# KiCad board Parallel.kicad_pcb (continued)
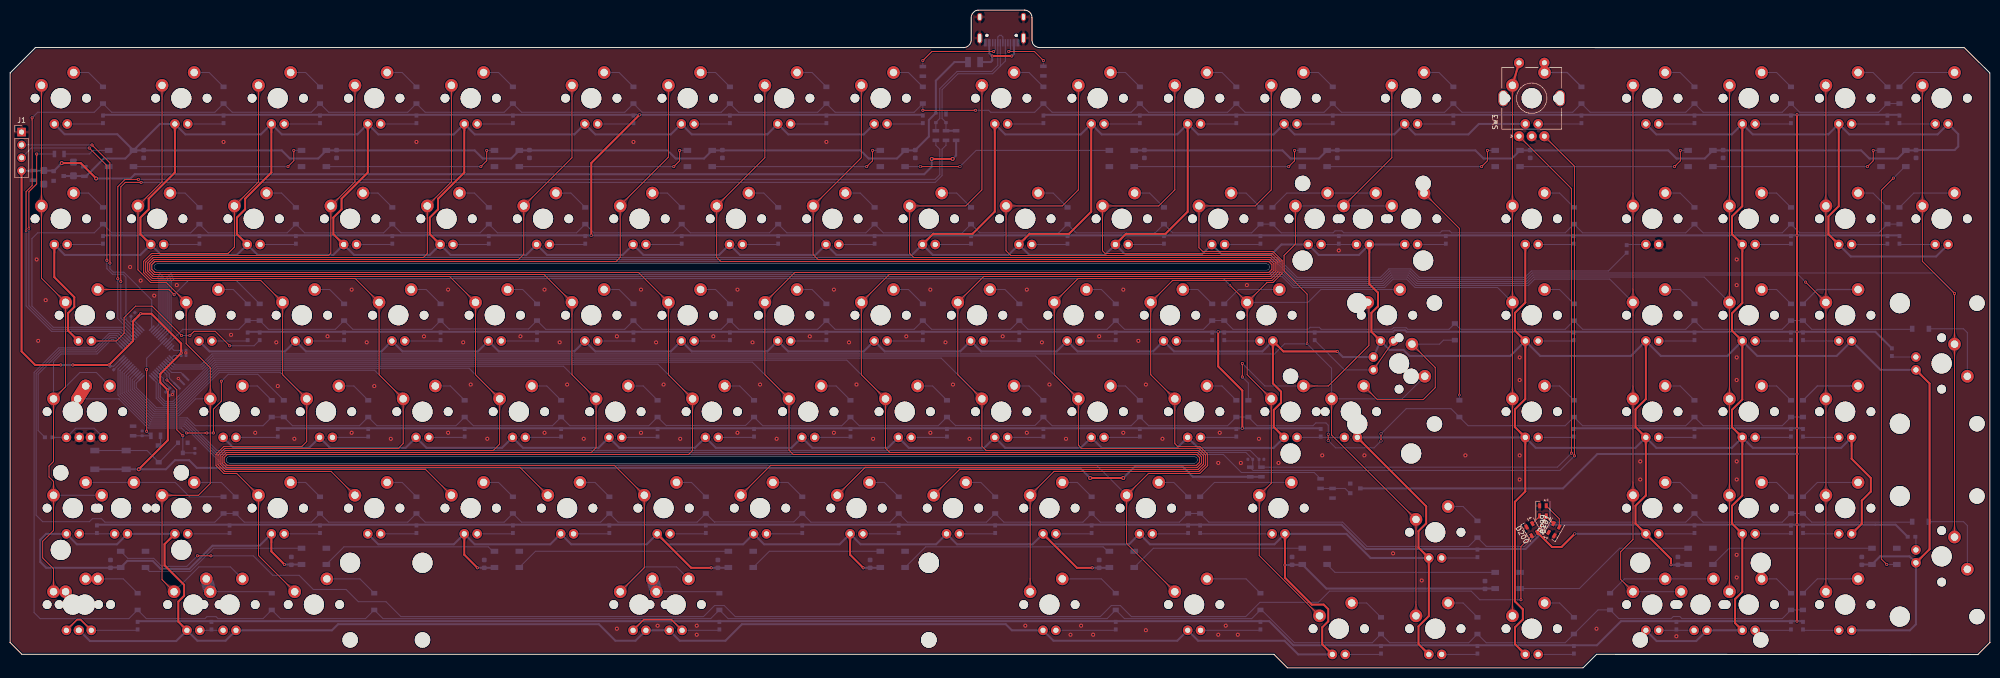
[diagram p0: board, top side]
## Copper pours and planes (outline as drawn; the poured copper is in the pictures) (continued)
Col8 on Top: 160.48,93.28 160.43,93.22 160.37,93.17 160.32,93.12 160.27,93.08 160.21,93.03 160.15,92.99 160.1,92.95 160.04,92.91 159.98,92.87 159.92,92.84 159.86,92.8 159.8,92.77 159.74,92.74 159.68,92.71 159.61,92.68 159.55,92.66 159.49,92.63 159.42,92.61 159.36,92.59 159.29,92.57 159.23,92.56 159.16,92.54 159.09,92.53 159.02,92.52 158.96,92.51 158.89,92.5 158.82,92.5 158.75,92.49 158.67,92.49 158.6,92.49 158.15,90.8 159.84,91.25 159.84,91.33 159.84,91.4 159.85,91.47 159.85,91.54 159.86,91.61 159.87,91.68 159.88,91.74 159.89,91.81 159.91,91.88 159.92,91.95 159.94,92.01 159.96,92.08 159.98,92.14 160.01,92.2 160.03,92.27 160.06,92.33 160.09,92.39 160.12,92.45 160.15,92.51 160.18,92.57 160.22,92.63 160.26,92.69 160.3,92.75 160.34,92.8 160.38,92.86 160.43,92.92 160.47,92.97 160.52,93.03 160.57,93.08 160.62,93.13
Col8 on Top: 165.25,36.13 165.19,36.07 165.14,36.02 165.08,35.97 165.03,35.93 164.97,35.88 164.92,35.84 164.86,35.8 164.8,35.76 164.74,35.72 164.68,35.69 164.62,35.65 164.56,35.62 164.5,35.59 164.44,35.56 164.38,35.53 164.31,35.51 164.25,35.48 164.19,35.46 164.12,35.44 164.06,35.42 163.99,35.41 163.92,35.39 163.86,35.38 163.79,35.37 163.72,35.36 163.65,35.35 163.58,35.35 163.51,35.34 163.44,35.34 163.37,35.34 162.91,33.65 164.6,34.1 164.6,34.18 164.6,34.25 164.61,34.32 164.61,34.39 164.62,34.46 164.63,34.53 164.64,34.59 164.65,34.66 164.67,34.73 164.68,34.8 164.7,34.86 164.72,34.93 164.74,34.99 164.77,35.05 164.79,35.12 164.82,35.18 164.85,35.24 164.88,35.3 164.91,35.36 164.95,35.42 164.98,35.48 165.02,35.54 165.06,35.6 165.1,35.65 165.14,35.71 165.19,35.77 165.24,35.82 165.28,35.88 165.33,35.93 165.39,35.98
Col8 on Top: 172.98,50.37 172.98,50.44 172.98,50.51 172.98,50.59 172.99,50.66 173,50.73 173.01,50.8 173.02,50.87 173.03,50.94 173.05,51.01 173.06,51.07 173.08,51.14 173.1,51.21 173.12,51.27 173.15,51.34 173.17,51.4 173.2,51.46 173.23,51.52 173.26,51.58 173.29,51.64 173.32,51.7 173.36,51.76 173.39,51.82 173.43,51.87 173.47,51.93 173.52,51.99 173.56,52.04 173.6,52.09 173.65,52.15 173.7,52.2 173.75,52.25 172.88,53.77 172,52.25 172.05,52.2 172.1,52.15 172.15,52.09 172.2,52.04 172.24,51.99 172.28,51.93 172.32,51.87 172.36,51.82 172.4,51.76 172.43,51.7 172.47,51.64 172.5,51.58 172.53,51.52 172.56,51.46 172.58,51.4 172.61,51.34 172.63,51.27 172.65,51.21 172.67,51.14 172.69,51.07 172.71,51.01 172.72,50.94 172.74,50.87 172.75,50.8 172.76,50.73 172.76,50.66 172.77,50.59 172.77,50.51 172.78,50.44 172.78,50.37
Col8 on Top: 170.01,74.23 169.95,74.17 169.9,74.12 169.85,74.07 169.79,74.03 169.73,73.98 169.68,73.94 169.62,73.9 169.56,73.86 169.5,73.82 169.45,73.79 169.39,73.75 169.32,73.72 169.26,73.69 169.2,73.66 169.14,73.63 169.08,73.61 169.01,73.58 168.95,73.56 168.88,73.54 168.82,73.52 168.75,73.51 168.69,73.49 168.62,73.48 168.55,73.47 168.48,73.46 168.41,73.45 168.34,73.45 168.27,73.44 168.2,73.44 168.13,73.44 167.67,71.75 169.36,72.2 169.36,72.28 169.37,72.35 169.37,72.42 169.38,72.49 169.38,72.56 169.39,72.63 169.4,72.69 169.42,72.76 169.43,72.83 169.45,72.9 169.47,72.96 169.48,73.03 169.51,73.09 169.53,73.15 169.56,73.22 169.58,73.28 169.61,73.34 169.64,73.4 169.67,73.46 169.71,73.52 169.74,73.58 169.78,73.64 169.82,73.7 169.86,73.75 169.91,73.81 169.95,73.87 170,73.92 170.05,73.98 170.1,74.03 170.15,74.08
Col8 on Top: 158.69,88.47 158.69,88.54 158.69,88.61 158.7,88.69 158.7,88.76 158.71,88.83 158.72,88.9 158.73,88.97 158.74,89.04 158.76,89.11 158.78,89.17 158.79,89.24 158.81,89.31 158.84,89.37 158.86,89.44 158.88,89.5 158.91,89.56 158.94,89.62 158.97,89.68 159,89.74 159.03,89.8 159.07,89.86 159.11,89.92 159.15,89.97 159.19,90.03 159.23,90.09 159.27,90.14 159.32,90.19 159.36,90.25 159.41,90.3 159.46,90.35 158.59,91.87 157.71,90.35 157.77,90.3 157.81,90.25 157.86,90.19 157.91,90.14 157.95,90.09 157.99,90.03 158.03,89.97 158.07,89.92 158.11,89.86 158.15,89.8 158.18,89.74 158.21,89.68 158.24,89.62 158.27,89.56 158.3,89.5 158.32,89.44 158.34,89.37 158.37,89.31 158.39,89.24 158.4,89.17 158.42,89.11 158.43,89.04 158.45,88.97 158.46,88.9 158.47,88.83 158.48,88.76 158.48,88.69 158.49,88.61 158.49,88.54 158.49,88.47
Col8 on Top: 168.21,69.42 168.22,69.49 168.22,69.56 168.22,69.64 168.23,69.71 168.24,69.78 168.25,69.85 168.26,69.92 168.27,69.99 168.28,70.06 168.3,70.12 168.32,70.19 168.34,70.26 168.36,70.32 168.38,70.39 168.41,70.45 168.44,70.51 168.46,70.57 168.49,70.63 168.53,70.69 168.56,70.75 168.59,70.81 168.63,70.87 168.67,70.92 168.71,70.98 168.75,71.04 168.8,71.09 168.84,71.14 168.89,71.2 168.94,71.25 168.99,71.3 168.11,72.82 167.24,71.3 167.29,71.25 167.34,71.2 167.39,71.14 167.43,71.09 167.48,71.04 167.52,70.98 167.56,70.92 167.6,70.87 167.63,70.81 167.67,70.75 167.7,70.69 167.74,70.63 167.77,70.57 167.79,70.51 167.82,70.45 167.85,70.39 167.87,70.32 167.89,70.26 167.91,70.19 167.93,70.12 167.94,70.06 167.96,69.99 167.97,69.92 167.98,69.85 167.99,69.78 168,69.71 168.01,69.64 168.01,69.56 168.01,69.49 168.01,69.42
Col8 on Top: 170.84,55.03 170.9,54.98 170.95,54.93 170.99,54.87 171.04,54.82 171.09,54.76 171.13,54.7 171.17,54.65 171.21,54.59 171.25,54.53 171.28,54.47 171.32,54.41 171.35,54.35 171.38,54.29 171.41,54.23 171.44,54.17 171.46,54.1 171.49,54.04 171.51,53.98 171.53,53.91 171.55,53.85 171.56,53.78 171.58,53.71 171.59,53.64 171.6,53.58 171.61,53.51 171.62,53.44 171.62,53.37 171.63,53.3 171.63,53.23 171.63,53.15 173.32,52.7 172.86,54.39 172.79,54.39 172.72,54.39 172.65,54.4 172.58,54.4 172.51,54.41 172.44,54.42 172.37,54.43 172.31,54.44 172.24,54.46 172.17,54.47 172.11,54.49 172.04,54.51 171.98,54.53 171.92,54.56 171.85,54.58 171.79,54.61 171.73,54.64 171.67,54.67 171.61,54.7 171.55,54.74 171.49,54.77 171.43,54.81 171.37,54.85 171.31,54.89 171.26,54.93 171.2,54.98 171.15,55.02 171.09,55.07 171.04,55.12 170.98,55.18
Col8 on Bottom: 170.84,55.03 170.9,54.98 170.95,54.93 170.99,54.87 171.04,54.82 171.09,54.76 171.13,54.7 171.17,54.65 171.21,54.59 171.25,54.53 171.28,54.47 171.32,54.41 171.35,54.35 171.38,54.29 171.41,54.23 171.44,54.17 171.46,54.1 171.49,54.04 171.51,53.98 171.53,53.91 171.55,53.85 171.56,53.78 171.58,53.71 171.59,53.64 171.6,53.58 171.61,53.51 171.62,53.44 171.62,53.37 171.63,53.3 171.63,53.23 171.63,53.15 173.32,52.7 172.86,54.39 172.79,54.39 172.72,54.39 172.65,54.4 172.58,54.4 172.51,54.41 172.44,54.42 172.37,54.43 172.31,54.44 172.24,54.46 172.17,54.47 172.11,54.49 172.04,54.51 171.98,54.53 171.92,54.56 171.85,54.58 171.79,54.61 171.73,54.64 171.67,54.67 171.61,54.7 171.55,54.74 171.49,54.77 171.43,54.81 171.37,54.85 171.31,54.89 171.26,54.93 171.2,54.98 171.15,55.02 171.09,55.07 171.04,55.12 170.98,55.18
Col9 on Top: 184.3,36.13 184.24,36.07 184.19,36.02 184.13,35.97 184.08,35.93 184.02,35.88 183.97,35.84 183.91,35.8 183.85,35.76 183.79,35.72 183.73,35.69 183.67,35.65 183.61,35.62 183.55,35.59 183.49,35.56 183.43,35.53 183.36,35.51 183.3,35.48 183.24,35.46 183.17,35.44 183.11,35.42 183.04,35.41 182.97,35.39 182.91,35.38 182.84,35.37 182.77,35.36 182.7,35.35 182.63,35.35 182.56,35.34 182.49,35.34 182.42,35.34 181.96,33.65 183.65,34.1 183.65,34.18 183.65,34.25 183.66,34.32 183.66,34.39 183.67,34.46 183.68,34.53 183.69,34.59 183.7,34.66 183.72,34.73 183.73,34.8 183.75,34.86 183.77,34.93 183.79,34.99 183.82,35.05 183.84,35.12 183.87,35.18 183.9,35.24 183.93,35.3 183.96,35.36 184,35.42 184.03,35.48 184.07,35.54 184.11,35.6 184.15,35.65 184.19,35.71 184.24,35.77 184.29,35.82 184.33,35.88 184.38,35.93 184.44,35.98
Col9 on Top: 192.03,50.37 192.03,50.44 192.03,50.51 192.03,50.59 192.04,50.66 192.05,50.73 192.06,50.8 192.07,50.87 192.08,50.94 192.1,51.01 192.11,51.07 192.13,51.14 192.15,51.21 192.17,51.27 192.2,51.34 192.22,51.4 192.25,51.46 192.28,51.52 192.31,51.58 192.34,51.64 192.37,51.7 192.41,51.76 192.44,51.82 192.48,51.87 192.52,51.93 192.57,51.99 192.61,52.04 192.65,52.09 192.7,52.15 192.75,52.2 192.8,52.25 191.93,53.77 191.05,52.25 191.1,52.2 191.15,52.15 191.2,52.09 191.25,52.04 191.29,51.99 191.33,51.93 191.37,51.87 191.41,51.82 191.45,51.76 191.48,51.7 191.52,51.64 191.55,51.58 191.58,51.52 191.61,51.46 191.63,51.4 191.66,51.34 191.68,51.27 191.7,51.21 191.72,51.14 191.74,51.07 191.76,51.01 191.77,50.94 191.79,50.87 191.8,50.8 191.81,50.73 191.81,50.66 191.82,50.59 191.82,50.51 191.83,50.44 191.83,50.37
Col9 on Top: 180.42,91.34 180.34,91.34 180.27,91.35 180.19,91.35 180.12,91.36 180.05,91.36 179.98,91.37 179.91,91.38 179.84,91.4 179.77,91.41 179.71,91.43 179.64,91.45 179.58,91.47 179.51,91.49 179.45,91.51 179.38,91.54 179.32,91.56 179.26,91.59 179.2,91.62 179.14,91.65 179.08,91.69 179.02,91.72 178.96,91.76 178.91,91.8 178.85,91.84 178.8,91.88 178.74,91.92 178.69,91.97 178.64,92.02 178.58,92.07 178.53,92.12 177.01,91.24 178.53,90.37 178.58,90.42 178.64,90.47 178.69,90.51 178.74,90.56 178.8,90.6 178.85,90.65 178.91,90.69 178.96,90.73 179.02,90.76 179.08,90.8 179.14,90.83 179.2,90.86 179.26,90.89 179.32,90.92 179.38,90.95 179.45,90.97 179.51,91 179.58,91.02 179.64,91.04 179.71,91.06 179.77,91.07 179.84,91.09 179.91,91.1 179.98,91.11 180.05,91.12 180.12,91.13 180.19,91.13 180.27,91.14 180.34,91.14 180.42,91.14
Col9 on Top: 192.03,112.28 192.03,112.35 192.03,112.43 192.03,112.5 192.04,112.57 192.05,112.64 192.06,112.71 192.07,112.78 192.08,112.85 192.1,112.92 192.11,112.99 192.13,113.05 192.15,113.12 192.17,113.18 192.2,113.25 192.22,113.31 192.25,113.37 192.28,113.43 192.31,113.5 192.34,113.56 192.37,113.61 192.41,113.67 192.44,113.73 192.48,113.79 192.52,113.84 192.57,113.9 192.61,113.95 192.65,114.01 192.7,114.06 192.75,114.11 192.8,114.16 191.93,115.68 191.05,114.16 191.1,114.11 191.15,114.06 191.2,114.01 191.25,113.95 191.29,113.9 191.33,113.84 191.37,113.79 191.41,113.73 191.45,113.67 191.48,113.61 191.52,113.56 191.55,113.5 191.58,113.43 191.61,113.37 191.63,113.31 191.66,113.25 191.68,113.18 191.7,113.12 191.72,113.05 191.74,112.99 191.76,112.92 191.77,112.85 191.79,112.78 191.8,112.71 191.81,112.64 191.81,112.57 191.82,112.5 191.82,112.43 191.83,112.35 191.83,112.28
Col9 on Top: 189.06,74.23 189,74.17 188.95,74.12 188.9,74.07 188.84,74.03 188.78,73.98 188.73,73.94 188.67,73.9 188.61,73.86 188.55,73.82 188.5,73.79 188.44,73.75 188.37,73.72 188.31,73.69 188.25,73.66 188.19,73.63 188.13,73.61 188.06,73.58 188,73.56 187.93,73.54 187.87,73.52 187.8,73.51 187.74,73.49 187.67,73.48 187.6,73.47 187.53,73.46 187.46,73.45 187.39,73.45 187.32,73.44 187.25,73.44 187.18,73.44 186.72,71.75 188.41,72.2 188.41,72.28 188.42,72.35 188.42,72.42 188.43,72.49 188.43,72.56 188.44,72.63 188.45,72.69 188.47,72.76 188.48,72.83 188.5,72.9 188.52,72.96 188.53,73.03 188.56,73.09 188.58,73.15 188.61,73.22 188.63,73.28 188.66,73.34 188.69,73.4 188.72,73.46 188.76,73.52 188.79,73.58 188.83,73.64 188.87,73.7 188.91,73.75 188.96,73.81 189,73.87 189.05,73.92 189.1,73.98 189.15,74.03 189.2,74.08
Col9 on Top: 177.74,88.47 177.74,88.54 177.74,88.61 177.75,88.69 177.75,88.76 177.76,88.83 177.77,88.9 177.78,88.97 177.79,89.04 177.81,89.11 177.83,89.17 177.84,89.24 177.86,89.31 177.89,89.37 177.91,89.44 177.93,89.5 177.96,89.56 177.99,89.62 178.02,89.68 178.05,89.74 178.08,89.8 178.12,89.86 178.16,89.92 178.2,89.97 178.24,90.03 178.28,90.09 178.32,90.14 178.37,90.19 178.41,90.25 178.46,90.3 178.51,90.35 177.64,91.87 176.76,90.35 176.82,90.3 176.86,90.25 176.91,90.19 176.96,90.14 177,90.09 177.04,90.03 177.08,89.97 177.12,89.92 177.16,89.86 177.2,89.8 177.23,89.74 177.26,89.68 177.29,89.62 177.32,89.56 177.35,89.5 177.37,89.44 177.39,89.37 177.42,89.31 177.44,89.24 177.45,89.17 177.47,89.11 177.48,89.04 177.5,88.97 177.51,88.9 177.52,88.83 177.53,88.76 177.53,88.69 177.54,88.61 177.54,88.54 177.54,88.47
Col9 on Top: 187.26,69.42 187.27,69.49 187.27,69.56 187.27,69.64 187.28,69.71 187.29,69.78 187.3,69.85 187.31,69.92 187.32,69.99 187.33,70.06 187.35,70.12 187.37,70.19 187.39,70.26 187.41,70.32 187.43,70.39 187.46,70.45 187.49,70.51 187.51,70.57 187.54,70.63 187.58,70.69 187.61,70.75 187.64,70.81 187.68,70.87 187.72,70.92 187.76,70.98 187.8,71.04 187.85,71.09 187.89,71.14 187.94,71.2 187.99,71.25 188.04,71.3 187.16,72.82 186.29,71.3 186.34,71.25 186.39,71.2 186.44,71.14 186.48,71.09 186.53,71.04 186.57,70.98 186.61,70.92 186.65,70.87 186.69,70.81 186.72,70.75 186.75,70.69 186.79,70.63 186.82,70.57 186.84,70.51 186.87,70.45 186.9,70.39 186.92,70.32 186.94,70.26 186.96,70.19 186.98,70.12 187,70.06 187.01,69.99 187.02,69.92 187.03,69.85 187.04,69.78 187.05,69.71 187.06,69.64 187.06,69.56 187.06,69.49 187.06,69.42
Col9 on Top: 189.89,55.03 189.95,54.98 190,54.93 190.04,54.87 190.09,54.82 190.14,54.76 190.18,54.7 190.22,54.65 190.26,54.59 190.3,54.53 190.33,54.47 190.37,54.41 190.4,54.35 190.43,54.29 190.46,54.23 190.49,54.17 190.51,54.1 190.54,54.04 190.56,53.98 190.58,53.91 190.6,53.85 190.61,53.78 190.63,53.71 190.64,53.64 190.65,53.58 190.66,53.51 190.67,53.44 190.67,53.37 190.68,53.3 190.68,53.23 190.68,53.15 192.37,52.7 191.91,54.39 191.84,54.39 191.77,54.39 191.7,54.4 191.63,54.4 191.56,54.41 191.49,54.42 191.42,54.43 191.36,54.44 191.29,54.46 191.22,54.47 191.16,54.49 191.09,54.51 191.03,54.53 190.97,54.56 190.9,54.58 190.84,54.61 190.78,54.64 190.72,54.67 190.66,54.7 190.6,54.74 190.54,54.77 190.48,54.81 190.42,54.85 190.36,54.89 190.31,54.93 190.25,54.98 190.2,55.02 190.14,55.07 190.09,55.12 190.03,55.18
Col9 on Bottom: 189.89,55.03 189.95,54.98 190,54.93 190.04,54.87 190.09,54.82 190.14,54.76 190.18,54.7 190.22,54.65 190.26,54.59 190.3,54.53 190.33,54.47 190.37,54.41 190.4,54.35 190.43,54.29 190.46,54.23 190.49,54.17 190.51,54.1 190.54,54.04 190.56,53.98 190.58,53.91 190.6,53.85 190.61,53.78 190.63,53.71 190.64,53.64 190.65,53.58 190.66,53.51 190.67,53.44 190.67,53.37 190.68,53.3 190.68,53.23 190.68,53.15 192.37,52.7 191.91,54.39 191.84,54.39 191.77,54.39 191.7,54.4 191.63,54.4 191.56,54.41 191.49,54.42 191.42,54.43 191.36,54.44 191.29,54.46 191.22,54.47 191.16,54.49 191.09,54.51 191.03,54.53 190.97,54.56 190.9,54.58 190.84,54.61 190.78,54.64 190.72,54.67 190.66,54.7 190.6,54.74 190.54,54.77 190.48,54.81 190.42,54.85 190.36,54.89 190.31,54.93 190.25,54.98 190.2,55.02 190.14,55.07 190.09,55.12 190.03,55.18
Col10 on Top: 201.55,31.32 201.55,31.39 201.56,31.46 201.56,31.54 201.57,31.61 201.57,31.68 201.58,31.75 201.59,31.82 201.61,31.89 201.62,31.96 201.64,32.02 201.66,32.09 201.68,32.16 201.7,32.22 201.72,32.29 201.75,32.35 201.77,32.41 201.8,32.47 201.83,32.53 201.86,32.59 201.9,32.65 201.93,32.71 201.97,32.77 202.01,32.82 202.05,32.88 202.09,32.94 202.13,32.99 202.18,33.04 202.23,33.1 202.28,33.15 202.33,33.2 201.45,34.72 200.58,33.2 200.63,33.15 200.68,33.1 200.73,33.04 200.77,32.99 200.81,32.94 200.86,32.88 200.9,32.82 200.94,32.77 200.97,32.71 201.01,32.65 201.04,32.59 201.07,32.53 201.1,32.47 201.13,32.41 201.16,32.35 201.18,32.29 201.21,32.22 201.23,32.16 201.25,32.09 201.27,32.02 201.28,31.96 201.3,31.89 201.31,31.82 201.32,31.75 201.33,31.68 201.34,31.61 201.35,31.54 201.35,31.46 201.35,31.39 201.35,31.32
Col10 on Top: 201.35,17.82 201.35,17.74 201.35,17.67 201.35,17.6 201.34,17.52 201.33,17.45 201.32,17.38 201.31,17.31 201.3,17.24 201.28,17.18 201.27,17.11 201.25,17.04 201.23,16.98 201.21,16.91 201.18,16.85 201.16,16.79 201.13,16.72 201.1,16.66 201.07,16.6 201.04,16.54 201.01,16.48 200.97,16.42 200.94,16.37 200.9,16.31 200.86,16.25 200.81,16.2 200.77,16.14 200.73,16.09 200.68,16.04 200.63,15.99 200.58,15.93 201.45,14.42 202.33,15.93 202.28,15.99 202.23,16.04 202.18,16.09 202.13,16.14 202.09,16.2 202.05,16.25 202.01,16.31 201.97,16.37 201.93,16.42 201.9,16.48 201.86,16.54 201.83,16.6 201.8,16.66 201.77,16.72 201.75,16.79 201.72,16.85 201.7,16.91 201.68,16.98 201.66,17.04 201.64,17.11 201.62,17.18 201.61,17.24 201.59,17.31 201.58,17.38 201.57,17.45 201.57,17.52 201.56,17.6 201.56,17.67 201.55,17.74 201.55,17.82
Col10 on Top: 211.08,50.37 211.08,50.44 211.08,50.51 211.08,50.59 211.09,50.66 211.1,50.73 211.11,50.8 211.12,50.87 211.13,50.94 211.15,51.01 211.16,51.07 211.18,51.14 211.2,51.21 211.22,51.27 211.25,51.34 211.27,51.4 211.3,51.46 211.33,51.52 211.36,51.58 211.39,51.64 211.42,51.7 211.46,51.76 211.49,51.82 211.53,51.87 211.57,51.93 211.62,51.99 211.66,52.04 211.7,52.09 211.75,52.15 211.8,52.2 211.85,52.25 210.98,53.77 210.1,52.25 210.15,52.2 210.2,52.15 210.25,52.09 210.3,52.04 210.34,51.99 210.38,51.93 210.42,51.87 210.46,51.82 210.5,51.76 210.53,51.7 210.57,51.64 210.6,51.58 210.63,51.52 210.66,51.46 210.68,51.4 210.71,51.34 210.73,51.27 210.75,51.21 210.77,51.14 210.79,51.07 210.81,51.01 210.82,50.94 210.84,50.87 210.85,50.8 210.86,50.73 210.86,50.66 210.87,50.59 210.87,50.51 210.88,50.44 210.88,50.37
Col10 on Top: 203.35,36.13 203.29,36.07 203.24,36.02 203.18,35.97 203.13,35.93 203.07,35.88 203.02,35.84 202.96,35.8 202.9,35.76 202.84,35.72 202.78,35.69 202.72,35.65 202.66,35.62 202.6,35.59 202.54,35.56 202.48,35.53 202.41,35.51 202.35,35.48 202.29,35.46 202.22,35.44 202.16,35.42 202.09,35.41 202.02,35.39 201.96,35.38 201.89,35.37 201.82,35.36 201.75,35.35 201.68,35.35 201.61,35.34 201.54,35.34 201.47,35.34 201.01,33.65 202.7,34.1 202.7,34.18 202.7,34.25 202.71,34.32 202.71,34.39 202.72,34.46 202.73,34.53 202.74,34.59 202.75,34.66 202.77,34.73 202.78,34.8 202.8,34.86 202.82,34.93 202.84,34.99 202.87,35.05 202.89,35.12 202.92,35.18 202.95,35.24 202.98,35.3 203.01,35.36 203.05,35.42 203.08,35.48 203.12,35.54 203.16,35.6 203.2,35.65 203.24,35.71 203.29,35.77 203.34,35.82 203.38,35.88 203.43,35.93 203.49,35.98
Col10 on Top: 196.79,88.47 196.79,88.54 196.79,88.61 196.8,88.69 196.8,88.76 196.81,88.83 196.82,88.9 196.83,88.97 196.84,89.04 196.86,89.11 196.88,89.17 196.89,89.24 196.91,89.31 196.94,89.37 196.96,89.44 196.98,89.5 197.01,89.56 197.04,89.62 197.07,89.68 197.1,89.74 197.13,89.8 197.17,89.86 197.21,89.92 197.25,89.97 197.29,90.03 197.33,90.09 197.37,90.14 197.42,90.19 197.46,90.25 197.51,90.3 197.56,90.35 196.69,91.87 195.81,90.35 195.87,90.3 195.91,90.25 195.96,90.19 196.01,90.14 196.05,90.09 196.09,90.03 196.13,89.97 196.17,89.92 196.21,89.86 196.25,89.8 196.28,89.74 196.31,89.68 196.34,89.62 196.37,89.56 196.4,89.5 196.42,89.44 196.44,89.37 196.47,89.31 196.49,89.24 196.5,89.17 196.52,89.11 196.53,89.04 196.55,88.97 196.56,88.9 196.57,88.83 196.58,88.76 196.58,88.69 196.59,88.61 196.59,88.54 196.59,88.47
Col10 on Top: 208.11,74.23 208.05,74.17 208,74.12 207.95,74.07 207.89,74.03 207.83,73.98 207.78,73.94 207.72,73.9 207.66,73.86 207.6,73.82 207.55,73.79 207.49,73.75 207.42,73.72 207.36,73.69 207.3,73.66 207.24,73.63 207.18,73.61 207.11,73.58 207.05,73.56 206.98,73.54 206.92,73.52 206.85,73.51 206.79,73.49 206.72,73.48 206.65,73.47 206.58,73.46 206.51,73.45 206.44,73.45 206.37,73.44 206.3,73.44 206.23,73.44 205.77,71.75 207.46,72.2 207.46,72.28 207.47,72.35 207.47,72.42 207.48,72.49 207.48,72.56 207.49,72.63 207.5,72.69 207.52,72.76 207.53,72.83 207.55,72.9 207.57,72.96 207.58,73.03 207.61,73.09 207.63,73.15 207.66,73.22 207.68,73.28 207.71,73.34 207.74,73.4 207.77,73.46 207.81,73.52 207.84,73.58 207.88,73.64 207.92,73.7 207.96,73.75 208.01,73.81 208.05,73.87 208.1,73.92 208.15,73.98 208.2,74.03 208.25,74.08
Col10 on Top: 206.31,69.42 206.32,69.49 206.32,69.56 206.32,69.64 206.33,69.71 206.34,69.78 206.35,69.85 206.36,69.92 206.37,69.99 206.38,70.06 206.4,70.12 206.42,70.19 206.44,70.26 206.46,70.32 206.48,70.39 206.51,70.45 206.54,70.51 206.56,70.57 206.59,70.63 206.63,70.69 206.66,70.75 206.69,70.81 206.73,70.87 206.77,70.92 206.81,70.98 206.85,71.04 206.9,71.09 206.94,71.14 206.99,71.2 207.04,71.25 207.09,71.3 206.21,72.82 205.34,71.3 205.39,71.25 205.44,71.2 205.49,71.14 205.53,71.09 205.58,71.04 205.62,70.98 205.66,70.92 205.7,70.87 205.73,70.81 205.77,70.75 205.8,70.69 205.84,70.63 205.87,70.57 205.89,70.51 205.92,70.45 205.95,70.39 205.97,70.32 205.99,70.26 206.01,70.19 206.03,70.12 206.04,70.06 206.06,69.99 206.07,69.92 206.08,69.85 206.09,69.78 206.1,69.71 206.11,69.64 206.11,69.56 206.11,69.49 206.11,69.42
Col10 on Top: 208.94,55.03 209,54.98 209.05,54.93 209.09,54.87 209.14,54.82 209.19,54.76 209.23,54.7 209.27,54.65 209.31,54.59 209.35,54.53 209.38,54.47 209.42,54.41 209.45,54.35 209.48,54.29 209.51,54.23 209.54,54.17 209.56,54.1 209.59,54.04 209.61,53.98 209.63,53.91 209.65,53.85 209.66,53.78 209.68,53.71 209.69,53.64 209.7,53.58 209.71,53.51 209.72,53.44 209.72,53.37 209.73,53.3 209.73,53.23 209.73,53.15 211.42,52.7 210.96,54.39 210.89,54.39 210.82,54.39 210.75,54.4 210.68,54.4 210.61,54.41 210.54,54.42 210.47,54.43 210.41,54.44 210.34,54.46 210.27,54.47 210.21,54.49 210.14,54.51 210.08,54.53 210.02,54.56 209.95,54.58 209.89,54.61 209.83,54.64 209.77,54.67 209.71,54.7 209.65,54.74 209.59,54.77 209.53,54.81 209.47,54.85 209.41,54.89 209.36,54.93 209.3,54.98 209.25,55.02 209.19,55.07 209.14,55.12 209.08,55.18
Col10 on Top: 211.08,112.28 211.08,112.35 211.08,112.43 211.08,112.5 211.09,112.57 211.1,112.64 211.11,112.71 211.12,112.78 211.13,112.85 211.15,112.92 211.16,112.99 211.18,113.05 211.2,113.12 211.22,113.18 211.25,113.25 211.27,113.31 211.3,113.37 211.33,113.43 211.36,113.5 211.39,113.56 211.42,113.61 211.46,113.67 211.49,113.73 211.53,113.79 211.57,113.84 211.62,113.9 211.66,113.95 211.7,114.01 211.75,114.06 211.8,114.11 211.85,114.16 210.98,115.68 210.1,114.16 210.15,114.11 210.2,114.06 210.25,114.01 210.3,113.95 210.34,113.9 210.38,113.84 210.42,113.79 210.46,113.73 210.5,113.67 210.53,113.61 210.57,113.56 210.6,113.5 210.63,113.43 210.66,113.37 210.68,113.31 210.71,113.25 210.73,113.18 210.75,113.12 210.77,113.05 210.79,112.99 210.81,112.92 210.82,112.85 210.84,112.78 210.85,112.71 210.86,112.64 210.86,112.57 210.87,112.5 210.87,112.43 210.88,112.35 210.88,112.28
Col10 on Top: 199.47,91.34 199.39,91.34 199.32,91.35 199.24,91.35 199.17,91.36 199.1,91.36 199.03,91.37 198.96,91.38 198.89,91.4 198.82,91.41 198.76,91.43 198.69,91.45 198.63,91.47 198.56,91.49 198.5,91.51 198.43,91.54 198.37,91.56 198.31,91.59 198.25,91.62 198.19,91.65 198.13,91.69 198.07,91.72 198.01,91.76 197.96,91.8 197.9,91.84 197.85,91.88 197.79,91.92 197.74,91.97 197.69,92.02 197.63,92.07 197.58,92.12 196.06,91.24 197.58,90.37 197.63,90.42 197.69,90.47 197.74,90.51 197.79,90.56 197.85,90.6 197.9,90.65 197.96,90.69 198.01,90.73 198.07,90.76 198.13,90.8 198.19,90.83 198.25,90.86 198.31,90.89 198.37,90.92 198.43,90.95 198.5,90.97 198.56,91 198.63,91.02 198.69,91.04 198.76,91.06 198.82,91.07 198.89,91.09 198.96,91.1 199.03,91.11 199.1,91.12 199.17,91.13 199.24,91.13 199.32,91.14 199.39,91.14 199.47,91.14
Col10 on Bottom: 208.94,55.03 209,54.98 209.05,54.93 209.09,54.87 209.14,54.82 209.19,54.76 209.23,54.7 209.27,54.65 209.31,54.59 209.35,54.53 209.38,54.47 209.42,54.41 209.45,54.35 209.48,54.29 209.51,54.23 209.54,54.17 209.56,54.1 209.59,54.04 209.61,53.98 209.63,53.91 209.65,53.85 209.66,53.78 209.68,53.71 209.69,53.64 209.7,53.58 209.71,53.51 209.72,53.44 209.72,53.37 209.73,53.3 209.73,53.23 209.73,53.15 211.42,52.7 210.96,54.39 210.89,54.39 210.82,54.39 210.75,54.4 210.68,54.4 210.61,54.41 210.54,54.42 210.47,54.43 210.41,54.44 210.34,54.46 210.27,54.47 210.21,54.49 210.14,54.51 210.08,54.53 210.02,54.56 209.95,54.58 209.89,54.61 209.83,54.64 209.77,54.67 209.71,54.7 209.65,54.74 209.59,54.77 209.53,54.81 209.47,54.85 209.41,54.89 209.36,54.93 209.3,54.98 209.25,55.02 209.19,55.07 209.14,55.12 209.08,55.18
Col11 on Top: 220.6,31.32 220.6,31.39 220.61,31.46 220.61,31.54 220.62,31.61 220.62,31.68 220.63,31.75 220.65,31.82 220.66,31.89 220.67,31.96 220.69,32.02 220.71,32.09 220.73,32.16 220.75,32.22 220.77,32.29 220.8,32.35 220.82,32.41 220.85,32.47 220.88,32.53 220.91,32.59 220.95,32.65 220.98,32.71 221.02,32.77 221.06,32.82 221.1,32.88 221.14,32.94 221.18,32.99 221.23,33.04 221.28,33.1 221.33,33.15 221.38,33.2 220.5,34.72 219.63,33.2 219.68,33.15 219.73,33.1 219.78,33.04 219.82,32.99 219.86,32.94 219.91,32.88 219.95,32.82 219.99,32.77 220.02,32.71 220.06,32.65 220.09,32.59 220.12,32.53 220.15,32.47 220.18,32.41 220.21,32.35 220.23,32.29 220.26,32.22 220.28,32.16 220.3,32.09 220.32,32.02 220.33,31.96 220.35,31.89 220.36,31.82 220.37,31.75 220.38,31.68 220.39,31.61 220.4,31.54 220.4,31.46 220.4,31.39 220.4,31.32
Col11 on Top: 227.99,16.93 228.05,16.88 228.1,16.83 228.14,16.77 228.19,16.72 228.24,16.66 228.28,16.6 228.32,16.55 228.36,16.49 228.4,16.43 228.43,16.37 228.47,16.31 228.5,16.25 228.53,16.19 228.56,16.13 228.59,16.07 228.61,16 228.64,15.94 228.66,15.88 228.68,15.81 228.7,15.75 228.71,15.68 228.73,15.61 228.74,15.54 228.75,15.48 228.76,15.41 228.77,15.34 228.77,15.27 228.78,15.2 228.78,15.13 228.78,15.05 230.47,14.6 230.02,16.29 229.94,16.29 229.87,16.29 229.8,16.3 229.73,16.3 229.66,16.31 229.59,16.32 229.52,16.33 229.46,16.34 229.39,16.36 229.32,16.37 229.26,16.39 229.19,16.41 229.13,16.43 229.07,16.46 229,16.48 228.94,16.51 228.88,16.54 228.82,16.57 228.76,16.6 228.7,16.64 228.64,16.67 228.58,16.71 228.52,16.75 228.46,16.79 228.41,16.83 228.35,16.88 228.3,16.92 228.24,16.97 228.19,17.02 228.14,17.08
